# Altium PCB Ultra_CAP.PcbDoc (part 1 of 2) (continued)
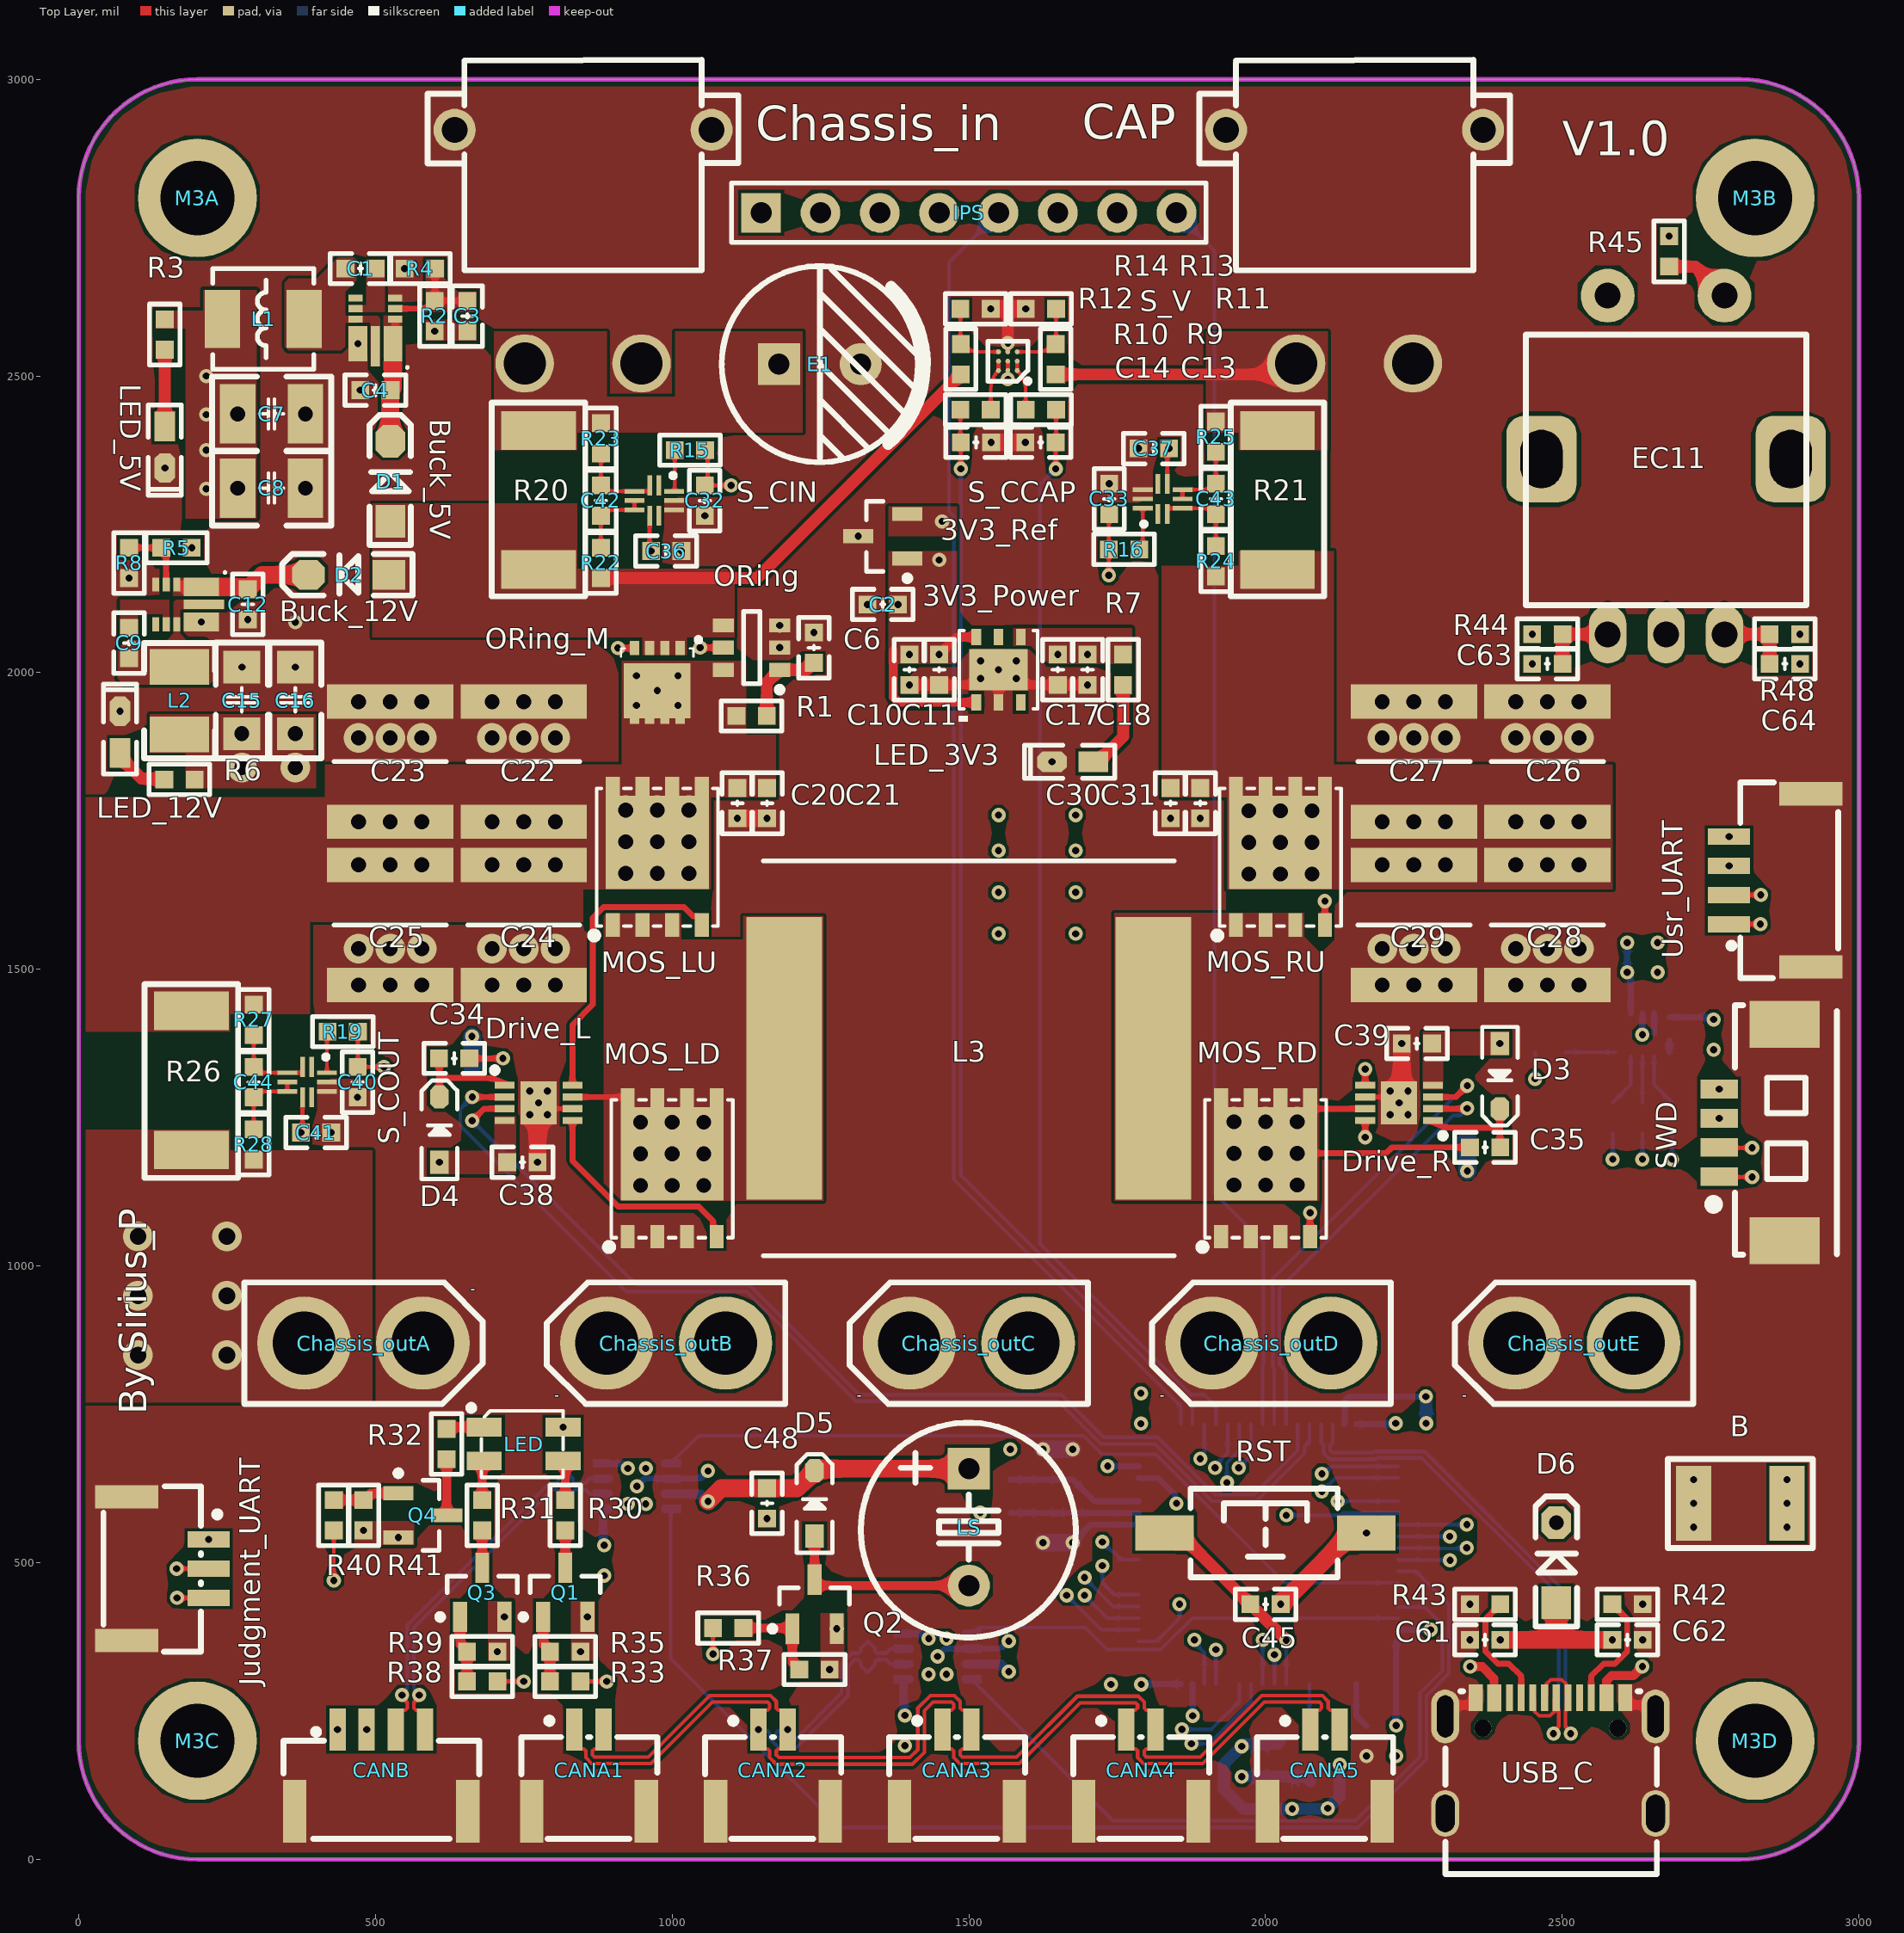
[diagram p0: Top Layer view]
## Components (designator, comment, footprint, x,y, rotation, side; value= is the part's Value field where it differs from the comment) (continued)
IPS "HDR-1X8" HDR2.54-M-LI-8P 1500,2775 r0 top
Judgment_UART "HDR-1X3" CONN-SMD_3P-P1.25_JUSHUO_GH125-S03DCA-00 150,490 r270 top
L1 "6.8uH/2A" L-SMD-0420 311.1,2596.1 r180 top
L2 "10uH/1A" L1210 170,1952.91 r270 top
L3 "10uH/16.5A/11.8mΩ" INDPM176169X700N 1500,1350 r0 top
L4 "600R@100MHz" R0603_L 1570,665.59 r270 bottom
L5 "600R@100MHz" R0603_L 1545,584.41 r180 bottom
LED "RGB-3528" "LED 3528-4Pin" 750,700 r0 top
LED_3V3 "Green" LED0603_G 1675,1850 r180 top
LED_5V "Green" LED0603_G 145,2380 r270 top
LED_12V "Green" LED0603_G 70,1900 r90 top
LS "DC5V" "BEEP 5x9x5.5" 1500,560 r180 top
M3A "M3" "M3 125X200" 200,2800 r0 top
M3B "M3" "M3 125X200" 2825,2800 r0 top
M3C "M3" "M3 125X200" 200,200 r0 top
M3D "M3" "M3 125X200" 2825,200 r0 top
MOS_LD "HYG025N06LS1C2" PDFN5*6-8l 1000,1165 r0 top
MOS_LU "HYG025N06LS1C2" PDFN5*6-8l 975,1690 r0 top
MOS_RD "HYG025N06LS1C2" PDFN5*6-8l 2000,1165 r0 top
MOS_RU "HYG025N06LS1C2" PDFN5*6-8l 2025,1690 r0 top
ORing "LM5050MKX-1/NOPB" SOT23-6 1133.93,2042.21 r180 top
ORing_M "AP80N04Q" TDFN33-8 975,1980 r180 top
Q1 "SI2302" SOT23-3N 820,450 r90 top
Q2 "SS8050" SOT23-3N 1240,430 r90 top
Q3 "SI2302" SOT23-3N 680,450 r90 top
Q4 "SI2302" SOT23-3N 580,580 r0 top
R1 "100R" R0603_L 1133.93,1927.21 r180 top
R2 "157K" R0603_L 600,2601.1 r270 top
R3 "4.7K" R0603_L 145,2570 r90 top
R4 "30K" R0603_L 575,2681.1 r0 top
R5 "422K" R0603_L 165,2210.59 r0 top
R6 "4.7K" R0603_L 170,1820 r0 top
R7 "4.7K" R0603_L 1760,2005 r90 top
R8 "30K" R0603_L 85,2185 r90 top
R9 "1K" R0603_L 1621.43,2443.14 r180 top
R10 "1K" R0603_L 1511.43,2443.14 r0 top
R11 "20K" R0603_L 1646.43,2528.14 r90 top
R12 "20K" R0603_L 1486.43,2528.14 r90 top
R13 "2.21K" R0603_L 1621.43,2613.14 r0 top
R14 "2.21K" R0603_L 1511.43,2613.14 r180 top
R15 "1K" R0603_L 1030,2375 r180 top
R16 "1K" R0603_L 1761.57,2207.82 r0 top
R17 "10K" R0603_L 662.82,1309.96 r90 bottom
R18 "10K" R0603_L 2340,1240 r270 bottom
R19 "1K" R0603_L 445,1395 r180 top
R20 "1mR" R2512_L 775,2290 r90 top
R21 "1mR" R2512_L 2020,2290 r90 top
R22 "10Ω" R0603_L 880,2185 r270 top
R23 "10Ω" R0603_L 880,2395 r90 top
R24 "10Ω" R0603_L 1916.57,2187.82 r270 top
R25 "10Ω" R0603_L 1916.57,2397.82 r90 top
R26 "1mR" R2512_L 190,1313.86 r270 top
R27 "10Ω" R0603_L 295,1415 r270 top
R28 "10Ω" R0603_L 295,1205 r270 top
R29 "120Ω" R0603_L 1330,342 r90 bottom
R30 "3.3K" R0603_L 820,580 r90 top
R31 "5.6K" R0603_L 680,580 r90 top
R32 "2K" R0603_L 620,700 r90 top
R33 "1K" R0603_L 820,300 r0 top
R34 "120Ω" R0603_L 820.59,628.99 r90 bottom
R35 "10K" R0603_L 820,350 r0 top
R36 "510Ω" R0603_L 1094.41,390 r180 top
R37 "10K" R0603_L 1240,320 r0 top
R38 "1K" R0603_L 680,300 r0 top
R39 "10K" R0603_L 680,350 r0 top
R40 "1K" R0603_L 430,580 r270 top
R41 "10K" R0603_L 480,580 r270 top
R42 "5.1K" R0603_L 2610,430 r0 top
R43 "5.1K" R0603_L 2370,430 r0 top
R44 "10K" R0603_L 2475,2065 r0 top
R45 "10K" R0603_L 2680,2710 r270 top
R46 "220R" R0603_L 2685,1250 r90 bottom
R47 "220R" R0603_L 2635,1250 r90 bottom
R48 "10K" R0603_L 2875,2065 r0 top
R49 "220R" R0603_L 2585,1250 r90 bottom
R50 "220R" R0603_L 2480,1360 r0 bottom
RST "3x6x5" "SW SMD-3*6*5" 2000,550 r0 top
S_CCAP "NCS210RMUTAG" QFN40P140X180X60-10N 1826.57,2292.82 r90 top
S_CIN "NCS210RMUTAG" QFN40P140X180X60-10N 970,2290 r270 top
S_COUT "NCS210RMUTAG" QFN40P140X180X60-10N 385,1310 r270 top
S_V "NCS20282" BGA9C40P3X3_122X122X62 1565.75,2525 r180 top
STM32G474 "STM32G474RET6" LQFP64-10*10 2005,515 r180 bottom
SWD "HDR-1X4" MX1.25-WS-4P 2875,1225 r90 top
USB_C "TYPE-C 2.0 -16P" USB-C-SMD_16P 2480,175 r180 top
Usr_UART "HDR-1X4" CONN-SMD_4P-P1.27_GH125-S04DCA-00 2850,1650 r90 top
X_24M "24M" OSC-2025-4P 2050,165 r90 bottom

## Footprints (in the part's own frame and the unit in brackets; to place one, negate y for a bottom-side part, rotate by r counter-clockwise, add the part's x,y. Pads: shape width x height; smd on the part's side, far side on the other; paste and mask are expansions set on the pad)
AP63356DV7 [mm]
  rect 0.8x1.5 smd: 1(-0.75,0.675) 8(0.75,0.675)
  rect 0.6x0.3 smd: 2(-0.85,-0.375) 3(-0.85,-0.825) 4(-0.85,-1.275) 5(0.85,-1.275) 6(0.85,-0.825) 7(0.85,-0.375)
  rect 0.4x1.73 smd: 9(0,0.79)
  silkscreen extent -1.42,1.64 -1.32,1.74, body extent -1,-1.5 1,1.5, height 0.95
"BEEP 5x9x5.5" [mm] "5*9*5.5mm(脚距,直径,高度)        淘宝ID:黄晶宝石"
  rect 1.8x1.8 hole 0.9: 1(0,-2.5)
  round 1.8 hole 0.9: 2(0,2.5)
  silkscreen extent -4.58,-4.47 4.62,4.72, body extent -4.5,-4.5 4.5,4.5, height 5.45
BGA9C40P3X3_122X122X62 [mm]
  round 0.208 smd: A1(-0.4,0.4) A2(0,0.4) A3(0.4,0.4) B1(-0.4,0) B2(0,0) B3(0.4,0) C1(-0.4,-0.4) C2(0,-0.4) C3(0.4,-0.4)
  silkscreen extent -0.95,-0.85 0.85,0.95, body extent -0.61,-0.61 0.61,0.61, height 0.62
C0603_L [mil] "贴片MLCC电容"
  rect 30x30 smd: 1(-25.59,0) 2(25.59,0)
  silkscreen extent -51,-26 51,26, body extent -31,-16 32,16, height 33
C1206_L [mil] "贴片MLCC电容"
  rect 55x62 smd: 1(-55.12,0) 2(57.09,0)
  silkscreen extent -96,-44 98,44, body extent -63,-32 63,32, height 49
C1210_L [mil] "贴片MLCC电容"
  rect 60x100 smd: 1(-57.09,0) 2(57.09,0)
  silkscreen extent -100,-63 100,63, body extent -63,-51 63,51, height 61
"C2220_no overlay" [mm]
  rect 1.47x5.41 smd: 1(-2.57,0) 2(2.57,0)
  silkscreen extent 0,-2.4 0,2.4, body extent -2.85,-2.5 2.85,2.5, height 2.79
CONN-SMD_2P-P1.25_JUSHUO_GH125-S02DCA-00 [mm]
  rect 0.7x1.8 smd mask+0.05: 1(-0.625,1.75) 2(0.625,1.75)
  rect 1x2.7 smd mask+0.05: 3(2.455,-1.75) 4(-2.455,-1.75)
  silkscreen extent -2.9,-2.92 2.92,2.25, body extent -2.88,-3.01 2.88,1.54, height 4.19
CONN-SMD_3P-P1.25_JUSHUO_GH125-S03DCA-00 [mm]
  rect 0.7x1.8 smd mask+0.05: 1(-1.25,1.75) 2(0,1.75) 3(1.25,1.75)
  rect 1x2.7 smd mask+0.05: 4(3.08,-1.75) 5(-3.08,-1.75)
  silkscreen extent -3.52,-2.75 3.56,2.26, body extent -3.5,-3.01 3.5,1.59, height 4.19
CONN-SMD_4P-P1.27_GH125-S04DCA-00 [mm]
  rect 0.7x1.8 smd mask+0.05: 1(-1.875,1.75) 2(-0.625,1.75) 3(0.625,1.75) 4(1.875,1.75)
  rect 1x2.7 smd mask+0.05: 5(3.705,-1.75) 6(-3.705,-1.75)
  silkscreen extent -4.19,-2.92 4.19,1.78, body extent -4.13,-3.01 4.13,1.54, height 4.19
CONN-TH_XT30PW-M [mm]
  round 2.5 hole 1.8: 1(-2.5,5.939) 2(2.5,5.939)
  round 1.8 hole 1.1: 3(5.5,-4.061) 4(-5.5,-4.061)
  silkscreen extent -6.65,-7.06 6.65,1.96, body extent -6.65,-7.01 6.65,6.94, height 5
"CT 3.5*8*8 - R" [mm] "脚距3.5mm , 直径8mm , 高8mm               联系卖家 免费查找封装"
  rect 1.8x1.8 hole 0.9: 1(1.75,0)
  round 1.8 hole 0.9: 2(-1.75,0)
  silkscreen extent -4.57,-4.2 4.2,4.2, body extent -4,-3.99 4,3.99, height 8.05
EC11 [mm] "数字开关编码器                                   淘宝ID:黄晶宝石"
  rrect50% 3.7x3 hole 1.8 slot 2.5 at 0 deg: 0(-0.254,5.334) 0(-0.254,-5.334)
  round 2.3 hole 1.1: 1(-7.25,2.5) 2(-7.25,-2.5)
  oval 2.5x1.6 hole 1.1: A(7.25,-2.5) B(7.25,2.5) C(7.25,0)
  silkscreen extent -5.59,-6 6,6, body extent -7.43,-6.16 7.37,6.31, height 2.94
HDR2.54-M-LI-8P [mm] "排母，8脚"
  rect 1.7x1.7 hole 0.9: 1(-8.89,0)
  round 1.7 hole 0.9: 2(-6.35,0) 3(-3.81,0) 4(-1.27,0) 5(1.27,0) 6(3.81,0) 7(6.35,0) 8(8.89,0)
  silkscreen extent -10.16,-1.27 10.16,1.27, body extent -10.16,-1.27 10.16,1.27, height 8.5
INDPM176169X700N [mm]
  rect 3.25x12.1 smd: 1(-7.9,0) 2(7.9,0)
  silkscreen extent -8.8,-8.45 8.8,8.45, body extent -8.8,-8.45 8.8,8.45, height 7
L1210 [mil] "小功率贴片电感                              淘宝ID:黄晶宝石"
  rect 60x100 smd: 1(-57.09,0) 2(57.09,0)
  silkscreen extent -97,-60 97,60, body extent -63,-49 63,49, height 51
L-SMD-0420 [mm] "一体化成型电感                              淘宝ID:黄晶宝石"
  rect 1.5x2.5 smd: 1(-1.75,0) 2(1.75,0)
  silkscreen extent -2.16,-2.16 2.16,2.16, body extent -2.25,-2.05 2.25,2.05
LED0603_G [mil] "绿色0603LED"
  rect 50x35 smd: 1(-35,0.26)
  oct 50x35 smd: 2(35,0.26)
  silkscreen extent -71,-28 81,28, body extent -31,-16 31,16, height 24
"LED 3528-4Pin" [mm] "4脚，3528LED"
  rect 1.5x0.8 smd: 1(-1.689,0.725) 2(-1.689,-0.725) 3(1.689,-0.725) 4(1.689,0.725)
  silkscreen extent -2.37,-1.42 1.69,1.68, body extent -1.75,-1.4 1.75,1.4, height 1.95
LQFP64-10*10 [mm] "10x10mm，0.5mm       淘宝ID:黄晶宝石"
  oval 0.3x1.8 smd: 1(-3.75,-5.575) 2(-3.25,-5.575) 3(-2.75,-5.575) 4(-2.25,-5.575) 5(-1.75,-5.575) 6(-1.25,-5.575) 7(-0.75,-5.575) 8(-0.25,-5.575) 9(0.25,-5.575) 10(0.75,-5.575) 11(1.25,-5.575) 12(1.75,-5.575) 13(2.25,-5.575) 14(2.75,-5.575) 15(3.25,-5.575) 16(3.75,-5.575) 33(3.75,5.55) 34(3.25,5.55) 35(2.75,5.55) 36(2.25,5.55) 37(1.75,5.55) 38(1.25,5.55) 39(0.75,5.55) 40(0.25,5.55) 41(-0.25,5.55) 42(-0.75,5.55) 43(-1.25,5.55) 44(-1.75,5.55) 45(-2.25,5.55) 46(-2.75,5.55) 47(-3.25,5.55) 48(-3.75,5.55)
  oval 1.8x0.3 smd: 17(5.55,-3.75) 18(5.55,-3.25) 19(5.55,-2.75) 20(5.55,-2.25) 21(5.55,-1.75) 22(5.55,-1.25) 23(5.55,-0.75) 24(5.55,-0.25) 25(5.55,0.25) 26(5.55,0.75) 27(5.55,1.25) 28(5.55,1.75) 29(5.55,2.25) 30(5.55,2.75) 31(5.55,3.25) 32(5.55,3.75) 49(-5.55,3.75) 50(-5.55,3.25) 51(-5.55,2.75) 52(-5.55,2.25) 53(-5.55,1.75) 54(-5.55,1.25) 55(-5.55,0.75) 56(-5.55,0.25) 57(-5.55,-0.25) 58(-5.55,-0.75) 59(-5.55,-1.25) 60(-5.55,-1.75) 61(-5.55,-2.25) 62(-5.55,-2.75) 63(-5.55,-3.25) 64(-5.55,-3.75)
  silkscreen extent -5.33,-6.09 4.32,4.32, body extent -6,-6 6,6, height 1.45
"M3 125X200" [mil] "M3螺丝孔，孔125Mil，焊盘200Mil"
  round 200 hole 125: 1(0,0)
MX1.25-WS-4P [mm] "长：10.15mm，宽：4.2mm，高：3.4mm"
  rect 2x3 smd: 0(-4.632,0) 0(4.632,0)
  rect 0.8x1.6 smd: 1(-1.889,2.811) 2(-0.639,2.811) 3(0.611,2.811) 4(1.861,2.811)
  silkscreen extent -5.23,-2.23 5.45,3.25, body extent -5.07,-2.1 5.08,3.09, height 3.4
OSC-2025-4P [mm] "2*2.5*0.55mm(长宽高)"
  rect 1.2x1 smd: 1(-0.85,-0.65) 2(0.85,-0.65) 3(0.85,0.65) 4(-0.85,0.65)
  silkscreen extent -1.75,-1.4 1.63,1.32, body extent -1.25,-1 1.25,1, height 0.55
PDFN5*6-8l [mm]
  rect 0.6x1 smd mask+0.05: 1(-1.905,-2.925) 2(-0.635,-2.925) 3(0.635,-2.925) 4(1.905,-2.925) 5(1.905,2.925) 6(0.635,2.925) 7(-0.635,2.925) 8(-1.905,2.925)
  rect 4.41x4 smd mask+0.05: 9(0,0.61)
  silkscreen extent -2.85,-3.53 2.6,2.92, body extent -2.62,-3.13 2.64,3.13, height 1.07
"PQFN50P300X250X97-14N - duplicate" [mm]
  rrect50% 0.61x0.35 smd: 1(-1.16,0.75) 2(-1.16,0.25) 3(-1.16,-0.25) 4(-1.16,-0.75) 8(1.16,-0.75) 9(1.16,-0.25) 10(1.16,0.25) 11(1.16,0.75)
  rrect50% 0.35x0.61 smd: 5(-0.5,-0.91) 6(0,-0.91) 7(0.5,-0.91) 12(0.5,0.91) 13(0,0.91) 14(-0.5,0.91)
  silkscreen extent -2.1,-1.25 1.5,1.25, body extent -1.5,-1.24 1.5,1.24, height 0.97
QFN40P140X180X60-10N [mm]
  rect 0.85x0.2 smd: 1(-0.65,0.2) 2(-0.65,-0.2) 6(0.65,-0.2) 7(0.65,0.2)
  rect 0.2x0.85 smd: 3(-0.4,-0.85) 4(0,-0.85) 5(0.4,-0.85) 8(0.4,0.85) 9(0,0.85) 10(-0.4,0.85)
  silkscreen extent -1.17,0.7 -0.98,0.9, body extent -0.75,-0.95 0.75,0.95, height 0.6
R0603_L [mil] "1/10W贴片电阻"
  rect 30x30 smd: 1(-25.59,0) 2(25.59,0)
  silkscreen extent -51,-26 51,26, body extent -31,-16 31,16, height 16
R1812_L [mm] "1/2W贴片电阻                 淘宝ID:黄晶宝石"
  rect 1.5x3.2 smd: 1(-2,0) 2(2,0)
  silkscreen extent -3.1,-1.91 3.1,1.91, body extent -2.25,-1.6 2.25,1.6, height 0.55
R2512_L [mm] "1W贴片电阻                淘宝ID:黄晶宝石"
  rect 1.65x3.2 smd: 1(-2.95,0) 2(3,0)
  silkscreen extent -4.1,-2 4.2,2, body extent -3.2,-1.6 3.2,1.6, height 0.55
SOD-123 [mil] "2.7x1.6X1.1mm（长宽高，不包括引脚） 淘宝ID:黄晶宝石"
  rect 55x50 smd: 1(-67.5,0)
  oct 55x50 smd: 2(67.5,0)
  silkscreen extent -108,-35 112,35, body extent -73,-32 73,31, height 50
SOD-323 [mm] "1.8x1.3X0.9mm（长宽高，不包括引脚）"
  rect 1x0.8 smd: 1(-1.4,0)
  oct 1x0.8 smd: 2(1.4,0)
  silkscreen extent -2.11,-0.76 2.11,0.76, body extent -1.32,-0.65 1.32,0.65, height 0.95
SON50P300X300X100-9N [mm]
  rect 0.85x0.3 smd: 1(-1.45,0.75) 2(-1.45,0.25) 3(-1.45,-0.25) 4(-1.45,-0.75) 5(1.45,-0.75) 6(1.45,-0.25) 7(1.45,0.25) 8(1.45,0.75)
  rect 1.55x1.84 smd: 9(0,0)
  silkscreen extent -2,1.28 -1.75,1.52, body extent -1.55,-1.5 1.55,1.5, height 1
SON65P300X300X100-9N-D [mm]
  round 0.35 smd: 1(-1.45,0.975) 2(-1.45,0.325) 3(-1.45,-0.325) 4(-1.45,-0.975) 5(1.45,-0.975) 6(1.45,-0.325) 7(1.45,0.325) 8(1.45,0.975)
  rect 1.65x2.45 smd: 9(0,0)
  Top Layer region: 1.875,0.8 1.2,0.8 1.155,0.806 1.112,0.823 1.076,0.851 1.048,0.887 1.031,0.93 1.025,0.975 1.031,1.02 1.048,1.062 1.076,1.099 1.112,1.127 1.155,1.144 1.2,1.15 1.2,1.15 1.875,1.15 1.875,0.8
  Top Layer region: 1.875,0.15 1.2,0.15 1.155,0.156 1.112,0.173 1.076,0.201 1.048,0.238 1.031,0.28 1.025,0.325 1.031,0.37 1.048,0.413 1.076,0.449 1.112,0.477 1.155,0.494 1.2,0.5 1.2,0.5 1.875,0.5 1.875,0.15
  Top Layer region: 1.875,-0.5 1.2,-0.5 1.155,-0.494 1.112,-0.477 1.076,-0.449 1.048,-0.413 1.031,-0.37 1.025,-0.325 1.031,-0.28 1.048,-0.238 1.076,-0.201 1.112,-0.173 1.155,-0.156 1.2,-0.15 1.2,-0.15 1.875,-0.15 1.875,-0.5
  Top Layer region: 1.875,-1.15 1.2,-1.15 1.155,-1.144 1.112,-1.127 1.076,-1.099 1.048,-1.062 1.031,-1.02 1.025,-0.975 1.031,-0.93 1.048,-0.887 1.076,-0.851 1.112,-0.823 1.155,-0.806 1.2,-0.8 1.2,-0.8 1.875,-0.8 1.875,-1.15
  Top Layer region: -1.875,-0.8 -1.2,-0.8 -1.155,-0.806 -1.113,-0.823 -1.076,-0.851 -1.048,-0.887 -1.031,-0.93 -1.025,-0.975 -1.031,-1.02 -1.048,-1.062 -1.076,-1.099 -1.113,-1.127 -1.155,-1.144 -1.2,-1.15 -1.2,-1.15 -1.875,-1.15 -1.875,-0.8
  Top Layer region: -1.875,-0.15 -1.2,-0.15 -1.155,-0.156 -1.113,-0.173 -1.076,-0.201 -1.048,-0.238 -1.031,-0.28 -1.025,-0.325 -1.031,-0.37 -1.048,-0.413 -1.076,-0.449 -1.113,-0.477 -1.155,-0.494 -1.2,-0.5 -1.2,-0.5 -1.875,-0.5 -1.875,-0.15
  Top Layer region: -1.875,0.5 -1.2,0.5 -1.155,0.494 -1.113,0.477 -1.076,0.449 -1.048,0.413 -1.031,0.37 -1.025,0.325 -1.031,0.28 -1.048,0.238 -1.076,0.201 -1.113,0.173 -1.155,0.156 -1.2,0.15 -1.2,0.15 -1.875,0.15 -1.875,0.5
  Top Layer region: -1.875,1.15 -1.2,1.15 -1.155,1.144 -1.113,1.127 -1.076,1.099 -1.048,1.062 -1.031,1.02 -1.025,0.975 -1.031,0.93 -1.048,0.887 -1.076,0.851 -1.113,0.823 -1.155,0.806 -1.2,0.8 -1.2,0.8 -1.875,0.8 -1.875,1.15
  silkscreen extent -2,1.53 -1.75,1.77, body extent -1.55,-1.5 1.55,1.5, height 1
SON_DFN6_3X3_STM-L [mil]
  rect 28x16 smd paste+0 mask+0: 1(-55,37.4) 2(-55,0) 3(-55,-37.4) 4(55,-37.4) 5(55,0) 6(55,37.4)
  rect 69x98 smd paste+0 mask+0: 7(0,0)
  silkscreen extent -88,-66 66,67, body extent -61,-61 61,61, height 37
SOT23 [mm] "SOT23, 3-Leads, Body 2.9x1.3mm, Pitch 0.95mm, Lead Span 2.4mm, IPC Medium Density"
  rect 1.3x0.6 smd: 1(-1.05,0.95) 2(-1.05,-0.95) 3(1.05,0)
  silkscreen extent -1.18,-1.5 0.7,1.92, body extent -1.2,-1.5 1.2,1.5, height 1.05
SOT23-3N [mm] "SOT23, 3-Leads, Body 2.9x1.3mm, Pitch 0.95mm, Lead Span 2.4mm, IPC Medium Density"
  rect 1.3x0.6 smd: 1(-1.05,0.95) 2(-1.05,-0.95) 3(1.05,0)
  silkscreen extent -1.17,-1.5 0.7,1.92, body extent -1.2,-1.5 1.2,1.5, height 1.05
SOT23-6 [mm] "SOT-23, 6-Leads, Body 2.90x1.60mm, Pitch 0.95mm, IPC High Density"
  rect 0.9x0.6 smd: 1(-1.2,0.95) 2(-1.2,0) 3(-1.2,-0.95) 4(1.2,-0.95) 5(1.2,0) 6(1.2,0.95)
  silkscreen extent -1.33,-1.55 0.35,1.92, body extent -1.4,-1.5 1.4,1.5, height 1.15
"SW SMD-3*6*5" [mm] "3*6*5mm                                 淘宝ID:黄晶宝石"
  rect 2.5x1.5 smd: 1(-4.318,0) 2(4.318,0)
  silkscreen extent -3.21,-1.9 3.09,1.9, body extent -4.6,-1.75 4.6,1.75, height 5.1
TDFN33-8 [mm]
  rect 0.4x0.6 smd: 1(-0.975,-1.563) 2(-0.325,-1.563) 3(0.325,-1.563) 4(0.975,-1.563)
  rect 0.4x0.25 smd: 5(0.975,1.563) 6(0.325,1.563) 7(-0.325,1.563) 8(-0.975,1.563)
  rect 2.85x2.35 smd: 9(0,0.262)
  silkscreen extent -1.86,-2.02 1.55,-1.2, body extent -1.65,-1.8 1.65,1.55, height 0.8
USB-C-SMD_16P [mm] "封装库来自淘宝ID:黄晶宝石"
  oval 1.2x2.3 hole 0.7 slot 1.8 at 90 deg: 0(-4.5,-1.675) 0(4.5,-1.675)
  oval 1.2x2 hole 0.8 slot 1.6 at 90 deg: 0(-4.5,2.475) 0(4.5,2.475)
  rect 0.3x1.15 smd: A1(3.35,-2.473) A4(2.55,-2.471) A5(1.25,-2.475) A6(0.25,-2.475) A7(-0.25,-2.473) A9(-2.55,-2.475) A12(-3.35,-2.475) B1(-3.05,-2.475) B4(-2.25,-2.475) B5(-1.75,-2.475) B6(-0.75,-2.475) B7(0.75,-2.473) B9(2.25,-2.471) B12(3.05,-2.473)
  rect 0.3x1.148 smd: A8(1.75,-2.475) B8(-1.25,-2.475)
  round 0.75 hole 0.75 unplated: ""(-2.89,-1.175) ""(2.89,-1.175)
  silkscreen extent -4.56,-2.75 4.5,5.08, body extent -4.44,-2.87 4.5,5.03, height 3.25
XT30-F [mm]
  round 4 hole 2.7: 1(-2.54,0) 2(2.54,0)
  silkscreen extent -5.1,-2.6 5.11,2.6, body extent -5.1,-2.6 5.1,2.6, height 9.4

## Part data
3V3_Power: "LDO-3V3/500mA"
3V3_Ref: "基准电压源3V3", Mfr_Name=onsemi, Copyright="Copyright (C) 2022 Ultra Librarian. All rights reserved.", Manufacturer_Part_Number=NCP51460SN33T1G, RefDes=RefDes, Type=DEV
B L4 L5: library part FB, "磁珠", BOM名称=直插磁珠, 联系卖家，免费查找封装=唯一出售店铺网址https://shop463601444.taobao.com
Buck_5V Buck_12V: "Switching Voltage Regulators DCDC Conv HV Buck V-DFN3020-13 T&R 3K 3.8V TO 32V INPUT, 3.5A LOW IQ SYNCHRONOUS BUCK WITH ENHANCED EMI REDUCTION", Manufacturer_Name="Diodes Inc.", Mouser Part Number=621-AP63356DV-7, Datasheet Link=https://www.diodes.com/assets/Datasheets/AP63356-AP63357.pdf, Geometry.Height=0.85mm, Manufacturer_Part_Number=AP63356DV-7, Mouser Price/Stock=https://www.mouser.co.uk/ProductDetail/Diodes-Incorporated/AP63356DV-7?qs=bZr6mbWTK5k9UirUfdvjSw%3D%3D
C1 C2 C3 C4 C6 C7 C8 C9 C10 C11 C12 C13 C14 C15 C16 C17 C18 C19 C20 C21 C22 C23 C24 C25 C26 C27 C28 C29 C30 C31 C32 C33 C34 C35 C36 C37 C38 C39 C40 C41 C42 C43 C44 C45 C46 C47 C48 C49 C50 C51 C52 C53 C54 C55 C56 C57 C58 C59 C60 C61 C62 C63 C64: library part C, "贴片电容", BOM名称=无极性贴片电容, 联系卖家，免费查找封装=唯一出售店铺网址https://shop463601444.taobao.com
C65: library part C, "VDDIO滤波电容", BOM名称=无极性贴片电容, 联系卖家，免费查找封装=唯一出售店铺网址https://shop463601444.taobao.com
C66 C67: library part C, "VDD滤波电容", BOM名称=无极性贴片电容, 联系卖家，免费查找封装=唯一出售店铺网址https://shop463601444.taobao.com
CAN_swA CAN_swB: "CAN电平转换芯片", Manufacturer_Part_Number=TJA1441BTK/0Z, Mfr_Name=NXP, Copyright="Copyright (C) 2022 Ultra Librarian. All rights reserved.", RefDes=RefDes, Type=DEV
CANA1 CANA2 CANA3 CANA4 CANA5: library part "Header 2", "2P连接器", BOM名称=2P连接器, 联系卖家 免费技术支持=封装库来自淘宝卖家ID：黄晶宝石, 联系卖家，免费技术支持=唯一出售店铺网址https://shop463601444.taobao.com
CANB SWD Usr_UART: library part "Header 4", "4P连接器", BOM名称=4P连接器, 联系卖家 免费技术支持=封装库来自淘宝卖家ID：黄晶宝石, 联系卖家，免费技术支持=唯一出售店铺网址https://shop463601444.taobao.com
D1 D2 D6: library part 1N5822, "肖特基二极管", BOM名称=肖特基二极管, 联系卖家，免费查找封装=唯一出售店铺网址https://shop463601444.taobao.com
D3 D4: library part 1N5819, "肖特基二极管", BOM名称=肖特基二极管, 联系卖家，免费查找封装=唯一出售店铺网址https://shop463601444.taobao.com
D5: "开关二极管", BOM名称=高速开关二极管, 联系卖家，免费查找封装=唯一出售店铺网址https://shop463601444.taobao.com
Drive_L Drive_R: "ON SEMICONDUCTOR - ADP3110AKCPZ-RL - MOSFET Driver, High Side And Low Side, 4.6V-13.2V Supply, 1A Out, 20ns Delay, DFN-8", Manufacturer_Name=onsemi, Mouser Part Number=863-ADP3110AKCPZ-RL, Arrow Part Number=ADP3110AKCPZ-RL, Arrow Price/Stock=https://www.arrow.com/en/products/adp3110akcpz-rl/on-semiconductor, Datasheet Link=http://www.onsemi.com/pub/Collateral/ADP3110A-D.PDF, Geometry.Height=1mm, Manufacturer_Part_Number=ADP3110AKCPZ-RL, Mouser Price/Stock=https://www.mouser.co.uk/ProductDetail/ON-Semiconductor/ADP3110AKCPZ-RL?qs=t2BMfLoP1KSx%2FvThl35SBw%3D%3D
E1: library part CS, "直插固态电容", BOM名称=直插固态电容, 联系卖家，免费查找封装=唯一出售店铺网址https://shop463601444.taobao.com
EC11: "数字开关编码器", BOM名称=数字编码开关, 封装库来自淘宝卖家ID：黄晶宝石=其他店铺购入均为盗版假冒封装库，请立即申请退款, 联系卖家，免费查找封装=唯一出售店铺网址https://shop463601444.taobao.com
GYRO: "Accelerometer, Gyroscope, 6 Axis Sensor IÂ²C, I3Câ„ , SPI Output", Package="- TDK InvenSense", Digi-Key_Part_Number=1428-1152-1-ND, Digi-Key_Purchase_URL=https://www.digikey.com.cn/product-detail/zh/tdk-invensense/ICM-42605/1428-1152-1-ND/9953675?utm_source=snapeda&utm_medium=aggregator&utm_campaign=symbol, MF="TDK InvenSense", MP=ICM-42605, SnapEDA_Link=https://www.snapeda.com/parts/ICM-42605/TDK%20InvenSense/view-part/3226540/?ref=snap
IPS: library part "Header 8", "8P接插件", BOM名称=8P接插件, 封装库来自淘宝卖家 ID：黄晶宝石=其他店铺购入均为盗版假冒封装库, 联系卖家，免费查找封装=唯一出售店铺网址https://shop463601444.taobao.com
Judgment_UART: library part "Header 3", "3P连接器", BOM名称=3P连接器, 联系卖家 免费技术支持=封装库来自淘宝卖家ID：黄晶宝石, 联系卖家，免费技术支持=唯一出售店铺网址https://shop463601444.taobao.com
L1: library part "L-Molding Choke", "一体成型电感", BOM名称=一体成型电感, 联系卖家，免费查找封装=唯一出售店铺网址https://shop463601444.taobao.com
L2: library part L, "贴片小功率电感", BOM名称=小功率贴片电感, 联系卖家，免费查找封装=唯一出售店铺网址https://shop463601444.taobao.com
L3: library part "L-Molding Choke", "一体成型电感 / TMPC1707HP-100MG-D", BOM名称=一体成型电感, 联系卖家，免费查找封装=唯一出售店铺网址https://shop463601444.taobao.com
LED: library part "LED-RGB 3528", "3528三基色LED", BOM名称=三基色LED, 联系卖家 免费查找封装=封装库来自淘宝卖家ID：黄晶宝石
LED_3V3 LED_5V LED_12V: library part LED-SMD, "贴片LED", BOM名称=贴片LED, 联系卖家 免费查找封装=封装库来自淘宝卖家ID：黄晶宝石
LS: library part BEEP, "蜂鸣器", BOM名称=蜂鸣器, 封装库来自淘宝卖家ID：黄晶宝石=其他店铺购入均为盗版假冒封装库，请立即申请退款, 联系卖家，免费查找封装=唯一出售店铺网址https://shop463601444.taobao.com
M3A M3B M3C M3D: "铜柱孔", BOM名称=铜柱孔, 封装库来自淘宝卖家ID：黄晶宝石=其他店铺购入均为盗版假冒封装库，请立即申请退款, 联系卖家，免费查找封装=唯一出售店铺网址https://shop463601444.taobao.com
MOS_LD MOS_LU MOS_RD MOS_RU: "NMOS 60V/170A", Manufacturer_Part_Number=AON7418, Mfr_Name="Alpha and Omega Semiconductor", Copyright="Copyright (C) 2022 Ultra Librarian. All rights reserved.", RefDes=RefDes, Type=DEV
ORing: "理想二极管控制器", Mfr_Name="Texas Instruments", Copyright="Copyright (C) 2022 Ultra Librarian. All rights reserved.", Manufacturer_Part_Number=LM5050MKX-1/NOPB, RefDes=RefDes, Type=DEV
ORing_M: "Trans MOSFET N-CH 40V 40A 8-Pin PDFN EP T/R", Arrow Part Number="TSM085P03CV RGG", Manufacturer_Name="Taiwan Semiconductor", Mouser Part Number=821-TSM085P03CVRGG, Arrow Price/Stock=https://www.arrow.com/en/products/tsm085p03cvrgg/taiwan-semiconductor, Datasheet Link="https://componentsearchengine.com/Datasheets/1/TSM085P03CV RGG.pdf", Geometry.Height=0.75mm, Manufacturer_Part_Number="TSM085P03CV RGG", Mouser Price/Stock=https://www.mouser.co.uk/ProductDetail/Taiwan-Semiconductor/TSM085P03CV-RGG?qs=4pzlT8jjbhd4XXSAn%252BJ6qw%3D%3D
Q1 Q3 Q4: library part AO3400, "N沟道 20V/6A", BOM名称=场效应管, 参数="N沟道 30V/4.2A", 联系卖家，免费查找封装=唯一出售店铺网址https://shop463601444.taobao.com
Q2: library part 8050-SMD, "高频放大-NPN型", BOM名称=高频放大-NPN型, 参数="40V 1.5A 1W 100MHZ", 联系卖家，免费查找封装=唯一出售店铺网址https://shop463601444.taobao.com
R1 R2 R3 R4 R5 R6 R7 R8 R9 R10 R11 R12 R13 R14 R15 R16 R17 R18 R19 R20 R21 R22 R23 R24 R25 R26 R27 R28 R29 R30 R31 R32 R33 R34 R35 R36 R37 R38 R39 R40 R41 R42 R43 R44 R45 R46 R47 R48 R49 R50: library part R, "贴片电阻", BOM名称=贴片电阻, 联系卖家，免费查找封装=唯一出售店铺网址https://shop463601444.taobao.com
RST: library part "SW 3x6", "3x6轻触开关", BOM名称=3x6轻触开关, 封装库来自淘宝卖家ID：黄晶宝石=其他店铺购入均为盗版假冒封装库，请立即申请退款, 联系卖家，免费查找封装=唯一出售店铺网址https://shop463601444.taobao.com
S_CCAP S_CIN S_COUT: "CURRENT SENSE AMP G=200", Manufacturer_Name=onsemi, Mouser Part Number=863-NCS210RMUTAG, Arrow Part Number=NCS210RMUTAG, Arrow Price/Stock=https://www.arrow.com/en/products/ncs210rmutag/on-semiconductor?region=nac, Datasheet Link=http://www.onsemi.com/pub/Collateral/NCS210R-D.PDF, Geometry.Height=0.6mm, Manufacturer_Part_Number=NCS210RMUTAG, Mouser Price/Stock=https://www.mouser.co.uk/ProductDetail/ON-Semiconductor/NCS210RMUTAG?qs=lYGu3FyN48dPWsNmv2BxUw%3D%3D
S_V: "7 MHz, 125 A Low Power Operational Amplifier", Arrow Part Number=FAN48610UC50X, Manufacturer_Name=onsemi, Mouser Part Number=512-FAN48610UC50X, Arrow Price/Stock=https://www.arrow.com/en/products/fan48610uc50x/on-semiconductor?region=nac, Datasheet Link=https://www.onsemi.com/pub/Collateral/FAN48610-D.pdf, Geometry.Height=0.619mm, Manufacturer_Part_Number=FAN48610UC50X, Mouser Price/Stock=https://www.mouser.co.uk/ProductDetail/ON-Semiconductor-Fairchild/FAN48610UC50X?qs=3SGS%2FGl3GGz6Cj18V%2F7jcA%3D%3D
STM32G474: "MCU", Mfr_Name=STMicroelectronics, Copyright="Copyright (C) 2022 Ultra Librarian. All rights reserved.", Manufacturer_Part_Number=STM32G474RET6, RefDes=RefDes, Type=DEV
USB_C: library part USB2.0_Type-C_16Pin, "USB2.0 Type-C 16Pin  母座", 联系卖家，免费技术支持=唯一出售店铺网址https://shop463601444.taobao.com
X_24M: library part XTAL-ACT-4P, "4脚有源晶振(振荡器)", BOM名称=有源晶振(振荡器), 联系卖家，免费查找封装=唯一出售店铺网址https://shop463601444.taobao.com

## Via types
v1: diameter 24, hole 12, Top Layer to Bottom Layer, tented both sides, 234 vias
v2: diameter 50, hole 25, Top Layer to Bottom Layer, tented both sides, 117 vias
v3: diameter 50, hole 28, Top Layer to Bottom Layer, tented both sides, 6 vias

## Nets (pads, with @x,y where several pads share a name; then routed paths per layer and width w, separated by ;. In a path a pad name is that pad's centre, name@x,y a point inside that pad or via, vN(x,y) a via of type N, cw(c..) or ccw(c..) an arc to the next point about the centre after c; other vN are vias at no path point)
3V3: 3V3_Power.4 C17.2 C18.2 C47.2 C49.2 C50.2 C51.2 C52.1 C56.2 C60.2 C65.2 C66.2 C67.2 CAN_swA.5 CAN_swB.5 GYRO.5 GYRO.8 IPS.2 L4.1 R7.2 R44.1 R45.1 R48.2 STM32G474.16 STM32G474.32 STM32G474.48 STM32G474.64 SWD.4 X_24M.1 X_24M.4 | length 772
  Bottom Layer w10: v1(1734,663) 1734.36,662.64 STM32G474.32@1786.5,662.64 ; C49.2@1791.08,295.5 STM32G474.16@1857.36,295.5 ; STM32G474.48@2152.64,733.5 2217.92,733.5 v1(2219.41,735) ; v1(2220,225.59) 2220,366.53 2220.83,367.36 STM32G474.64@2223.5,367.36 ; v1(2609.41,1545) v1(2609.41,1495) 2615.32,1489.09 GYRO.5@2615.32,1425.83 ; GYRO.8@2680.67,1419.53 2751.06,1419.53 v1(2755,1415.59)
  Bottom Layer w14: CAN_swB.5@883.5,590.6 883.5,531.66 v1(885.59,529.58) ; CAN_swA.5@1390.29,303.69 1390.29,244.75 v1(1392.37,242.66) ; v1(1790.59,295) C49.2@1791.08,295.5
  Bottom Layer w20: v1(1960,139.41) 2067.71,139.41 X_24M.4@2075.59,131.54
  other v1: 1570,691.18 1790,734.41 2764.35,1298.28 1650,2030.59 1700,2030.59 2449.41,2065 2900.59,2065 2680,2735.59
3V3_R: 3V3_Ref.2 C19.2 C36.1 C37.1 C41.1 L5.2 S_CCAP.6 S_CIN.6 S_COUT.6 S_V.A2 S_V.B2 | length 1637.7
  Top Layer w7: v1(374.41,1225) 377.13,1227.72 S_COUT.6@377.13,1284.41 ; S_CIN.6@962.13,2264.41 962.13,2207.28 v1(964.41,2205) ; v1@1565.75,2494.41 S_V.A2@1565.75,2509.25 S_V.B2@1565.75,2525 ; S_CCAP.6@1834.45,2318.41 1834.45,2375.1 v1(1837.17,2377.82)
  SIG w20: v1(374.41,1225) 583.01,1016.39 1076.18,1016.39 1278.67,813.89 1278.67,787.67 1481.17,585.17 1518.65,585.17 v1(1519.42,584.41)
  other v1: 1455,2255 1565.75,2494.41
5V: 3V3_Power.1 3V3_Power.6 3V3_Ref.1 C2.2 C3.2 C7.2 C8.2 C10.2 C11.2 C46.2 C48.2 C53.2 CAN_swA.3 CAN_swB.3 CANB.1 D5.2 D6.2 L1.2 LED.4 LS.1 R2.2 R3.2 Usr_UART.4 | length 897.9
  Top Layer w15: 1372.5,2037.5 1372.5,1959.23 1381.73,1950 3V3_Power.1@1512.6,1950 ; v1(1450,2030.59) 1479.42,2060 3V3_Power.6@1512.6,2060
  Top Layer w30: v1(1060.59,603.4) 1082.78,625.59 C48.2@1160,625.59 1210.47,625.59 1235.31,650.43 1239.25,650.43 1240,651.18 D5.2@1240,655.12 1243.31,658.43 LS.1@1500,658.43
  Bottom Layer w15: CAN_swB.3@997.68,616.19 1047.8,616.19 v1(1060.59,603.4) ; CAN_swA.3@1504.46,329.28 1554.58,329.28 v1(1567.38,316.49)
  other v1: 436.18,218.9 816.5,728.54 2781.1,1723.82 1400,2030.59 1380.59,2115 1450,2190 215,2310 215,2375 215,2435 215,2500 600,2575.51
  other v2: 2490,567.5 267.91,2311.1 267.91,2436.1
12V: C15.2 C16.2 C38.1 C39.1 D3.1 D4.1 Drive_L.4 Drive_R.4 L2.2 R5.2 R6.2
  other v1: 607.82,1174.84 2395,1375.12 190.59,2210.59
  other v2: 275,1840 365,1840 275,1897.25 365,1897.25
AGND: 3V3_Power.2 3V3_Power.7 3V3_Ref.3 B.2 Buck_5V.4 Buck_5V.8 Buck_12V.4 Buck_12V.8 C2.1 C4.1 C6.1 C7.1 C8.1 C10.1 C11.1 C12.1 C13.2 C14.1 C15.1 C16.1 C17.1 C18.1 C19.1 C20.1 C21.1 C22.1 C23.1 C24.1 C25.1 C26.1 C27.1 C28.1 C29.1 C30.1 C31.1 C32.2 C33.2 C36.2 C37.2 C38.2 C39.2 C40.2 C41.2 C54.1 C55.1 C57.1 C58.1 C59.1 C61.1 C62.1 CANA1.3 CANA1.4 CANA2.3 CANA2.4 CANA3.3 CANA3.4 CANA4.3 CANA4.4 CANA5.3 CANA5.4 CANB.5 CANB.6 CAP.1 CAP.3 CAP.4 Chassis_in.1 Chassis_in.3 Chassis_in.4 Chassis_outA.2 Chassis_outB.2 Chassis_outC.2 Chassis_outD.2 Chassis_outE.2 Drive_L.6 Drive_L.9 Drive_R.6 Drive_R.9 E1.2 Judgment_UART.4 Judgment_UART.5 LED_3V3.2 LED_5V.2 LED_12V.2 MOS_LD.1 MOS_LD.2 MOS_LD.3 MOS_RD.1 MOS_RD.2 MOS_RD.3 ORing.2 ORing.3 R4.1 R8.1 R13.1 R14.1 R42.2 R43.1 S_CCAP.8 S_CCAP.9 S_CIN.8 S_CIN.9 S_COUT.8 S_COUT.9 S_V.C2 STM32G474.27 SWD.0 USB_C.0 USB_C.A1 USB_C.A12 USB_C.B1 USB_C.B12 Usr_UART.5 Usr_UART.6 | length 1226
  Top Layer w7: v1(775,1275) 784.84,1265.16 Drive_L.6@832.09,1265.16 ; S_V.C2@1565.75,2540.75 v1(1565.75,2555.59) ; Drive_R.6@2167.91,1284.84 2215.16,1284.84 v1(2225,1275)
  Top Layer w15: v1(1400,1979.41) 1509.41,1979.41 v1(1520,1990) ; 3V3_Power.2@1550,1950 v1(1550,2005) ; v1(1580,1990) 1590.59,1979.41 C17.1@1650,1979.41 v1(1700,1979.41) ; USB_C.0@2302.83,240.94 2302.83,245.23 2317.72,260.13 2346.52,260.13 2348.11,261.72 USB_C.A1@2348.11,272.37 ; USB_C.A12@2611.89,272.43 2611.89,261.77 2613.48,260.18 2642.27,260.18 2657.17,245.28 USB_C.0@2657.17,240.94
  Top Layer w20: v1(1565.75,2555.59) 1565.75,2612.47 1566.42,2613.15
  Top Layer w30: v1(773.41,1174.96) 773.41,1273.41 v1(775,1275) ; v1(1110,1754.41) v1(1160,1754.41) ; v1(1537.02,2613.15) 1566.42,2613.15 v1(1595.83,2613.14) ; v1(1537.61,2388.14) v1(1595.24,2388.14) ; v1(2225,1275) 2229.41,1279.41 v1(2229.41,1375)
  Bottom Layer w10: v1(1675,533.82) 1705.39,564.21 STM32G474.27@1786.5,564.21
  Bottom Layer w30: v1(1625,533.82) v1(1675,533.82) ; v1(1625,691.18) v1(1675,691.18)
  other v1: 2170,174.41 2344.41,370 2635.59,370 2344.41,430 2635.59,430 2721.26,560 2721.26,600 2721.26,640 425.59,1225 760,1255 790,1255 2210,1255 2240,1255 470,1284.41 760,1295 790,1295 2210,1295 2240,1295 1840,1754.41 1890,1754.41 1640,1849.74 69.74,1935 275,2009.46 365,2009.46 1520,2020 1580,2020 1181.17,2042.21 1238.93,2067.81 1181.17,2079.61 206.57,2085.47 365,2085 285,2089.41 1329.41,2115 85,2159.41 1015.59,2205 1313.66,2230 1055,2264.41 1736.58,2318.41 145.26,2345 1785.99,2377.82 474.41,2476.1 470.47,2554.53 549.41,2681.1
  other v2: 471.72,1473.82 525,1473.82 578.28,1473.82 696.72,1473.82 750,1473.82 803.28,1473.82 2196.72,1473.82 2250,1473.82 2303.28,1473.82 2421.72,1473.82 2475,1473.82 2528.28,1473.82 471.72,1535 525,1535 578.28,1535 696.72,1535 750,1535 803.28,1535 2196.72,1535 2250,1535 2303.28,1535 2421.72,1535 2475,1535 2528.28,1535 471.72,1890 525,1890 578.28,1890 696.72,1890 750,1890 803.28,1890 2196.72,1890 2250,1890 2303.28,1890 2421.72,1890 2475,1890 2528.28,1890 471.72,1951.18 525,1951.18 578.28,1951.18 696.72,1951.18 750,1951.18 803.28,1951.18 2196.72,1951.18 2250,1951.18 2303.28,1951.18 2421.72,1951.18 2475,1951.18 2528.28,1951.18 382.09,2311.1 382.09,2436.1
Beep: R36.2 STM32G474.8 | length 1107.2
  Top Layer w6: v1(1068.82,346.18) R36.2@1068.82,390
  SIG w6: v1(1068.82,346.18) 1130.34,284.66 1415.94,284.66 1436.61,264 1934,264 v1(2015,345)
  Bottom Layer w6: STM32G474.8@2014.84,295.5 2014.92,295.57 2014.92,344.92 v1(2015,345)
BL: IPS.8 STM32G474.40 | length 2102.9
  Bottom Layer w6: IPS.8@1850,2775 1913.72,2711.28 1913.72,1123.05 1996.74,1040.02 1996.74,834.07 1995.16,832.49 STM32G474.40@1995.16,733.5
CAN1_RX: CAN_swA.4 STM32G474.61 | length 1224.5
  Bottom Layer w6: CAN_swA.4@1504.46,303.69 1743.15,65 2151.9,65 2260.21,173.3 2260.21,280.24 2297.95,317.99 2297.95,395.33 2267.94,425.35 2224.57,425.35 STM32G474.61@2223.5,426.42
CAN1_TX: CAN_swA.1 STM32G474.62 | length 760.8
  Bottom Layer w6: CAN_swA.1@1504.46,380.46 1506.51,380.46 1516.72,390.67 1696.25,390.67 1733.47,353.46 1823.46,353.46 1876.73,406.73 STM32G474.62@2223.5,406.73
CAN2_RX: CAN_swB.4 STM32G474.58 | length 2076.1
  Bottom Layer w6: CAN_swB.4@997.68,590.6 997.68,338.33 1282.01,54 2156.46,54 2271.21,168.75 2271.21,275.69 2308.95,313.43 2308.95,429.53 2253.01,485.47 STM32G474.58@2223.5,485.47
CAN2_TX: CAN_swB.1 STM32G474.59 | length 1348.1
  Bottom Layer w6: CAN_swB.1@997.68,667.37 1044.48,714.18 1693.31,714.18 1724.49,683 1815.33,683 2032.54,465.79 STM32G474.59@2223.5,465.79
CANA_H: CAN_swA.7 CANA1.2 CANA2.2 CANA3.2 CANA4.2 CANA5.2 R29.2 | length 2280.5
  Top Layer w6: CANA1.2@884.61,218.89 884.61,197.24 873.83,186.46 869.01,186.46 865.5,182.95 865.5,176.06 869.01,172.54 959.93,172.54 1063.63,276.25 1165.54,276.25 1175.5,266.29 1175.5,254.84 1179.01,251.33 1183.83,251.33 1194.61,240.55 1194.61,197.24 1183.83,186.46 1179.01,186.46 1175.5,182.95 1175.5,176.06 1180.08,171.48 1400.65,171.48 1414.06,184.89 1414.06,255.06 1435.25,276.25 1475.54,276.25 1485.5,266.29 1485.5,254.84 1489.01,251.33 1493.83,251.33 1504.61,240.55 1504.61,197.24 1493.83,186.46 1489.01,186.46 1485.5,182.95 1485.5,176.06 1489.01,172.54 1580.55,172.54 1683.01,275 1785.54,275 1795.5,265.04 1795.5,254.84 1799.01,251.33 1803.83,251.33 1814.61,240.55 1814.61,197.24 1803.83,186.46 1799.01,186.46 1795.5,182.95 1795.5,176.06 1799.01,172.54 1889.93,172.54 1993.63,276.25 2095.54,276.25 2105.5,266.29 2105.5,254.84 2109.01,251.33 2113.83,251.33 2124.61,240.55 CANA5.2@2124.61,218.89
  Bottom Layer w6: v1(1194.61,218.89) 1192.5,216.79 1179.01,216.79 1175.5,213.27 1175.5,208.3 1185.91,197.89 1203.3,197.89 1285.59,280.18 1285.59,330.28 1302.8,347.5 1314.48,347.5 1318,351.01 1318,355.59 R29.2@1328,365.59 ; R29.2@1330,367.59 1342,355.59 1342,351.01 1345.51,347.5 1351.43,347.5 1351.51,347.58 1361.04,347.58 1364.55,351.09 1364.55,351.71 1367.72,354.87 CAN_swA.7@1390.29,354.87
CANA_L: CAN_swA.6 CANA1.1 CANA2.1 CANA3.1 CANA4.1 CANA5.1 R29.1 | length 2301.8
  Top Layer w6: CANA1.1@835.39,218.89 835.39,197.24 846.17,186.46 850.99,186.46 854.5,182.95 854.5,171.5 864.46,161.54 964.48,161.54 1068.18,265.25 1160.99,265.25 1164.5,261.73 1164.5,254.84 1160.99,251.33 1156.17,251.33 1145.39,240.55 1145.39,197.24 1156.17,186.46 1160.99,186.46 1164.5,182.95 1164.5,171.5 1175.52,160.48 1405.21,160.48 1425.06,180.34 1425.06,250.5 1439.8,265.25 1470.99,265.25 1474.5,261.73 1474.5,254.84 1470.99,251.33 1466.17,251.33 1455.39,240.55 1455.39,197.24 1466.17,186.46 1470.99,186.46 1474.5,182.95 1474.5,171.5 1484.46,161.54 1585.11,161.54 1687.56,264 1780.99,264 1784.5,260.49 1784.5,255.52 1780.31,251.33 1776.17,251.33 1765.39,240.55 1765.39,197.24 1776.17,186.46 1780.99,186.46 1784.5,182.95 1784.5,171.5 1794.46,161.54 1894.48,161.54 1998.18,265.25 2090.99,265.25 2094.5,261.73 2094.5,254.84 2090.99,251.33 2086.17,251.33 2075.39,240.55 CANA5.1@2075.39,218.89
  Bottom Layer w6: v1(1145.39,218.89) 1147.5,216.79 1160.99,216.79 1164.5,213.27 1164.5,203.75 1181.35,186.89 1207.86,186.89 1296.59,275.62 1296.59,325.72 1307.36,336.5 1314.48,336.5 1318,332.98 1318,326.41 R29.1@1329,315.41 ; R29.1@1330,316.41 1342,328.41 1342,332.98 1345.51,336.5 1355.99,336.5 1356.07,336.58 1361.04,336.58 1364.55,333.06 1364.55,332.44 1367.72,329.28 CAN_swA.6@1390.29,329.28
CANB_H: CAN_swB.7 CANB.3 R34.2 | length 648.3
  Top Layer w6: CANB.3@534.61,218.9 534.61,240.55 545.39,251.33 550.2,251.33 553.71,254.85 553.71,264.49 545,273.2 v1(545,277)
  Bottom Layer w6: v1(545,277) 545,280.51 554,289.51 554,395.09 793.39,634.48 805.07,634.48 808.59,638 808.59,642.58 R34.2@820.59,654.58 832.59,642.58 832.59,638 836.1,634.48 843.22,634.48 ; 843.23,634.49 854.26,634.49 857.77,638 857.77,638.62 860.93,641.78 CAN_swB.7@883.5,641.78
CANB_L: CAN_swB.6 CANB.4 R34.1 | length 630.3
  Top Layer w6: v1(574,277) 574,273.49 564.71,264.2 564.71,254.85 568.23,251.33 573.04,251.33 583.82,240.55 CANB.4@583.82,218.9
  Bottom Layer w6: v1(574,277) 574,280.51 565,289.51 565,390.54 797.95,623.48 805.07,623.48 808.59,619.97 808.59,615.39 R34.1@820.59,603.39 832.59,615.39 832.59,619.97 836.1,623.48 847.78,623.48 854.26,623.49 857.77,619.97 857.77,619.35 860.93,616.19 CAN_swB.6@883.5,616.19
CAP_Cout: C33.1 R16.1 STM32G474.21 | length 1912.6
  Top Layer w6: v1(1735.98,2164.02) 1735.98,2266.63 C33.1@1736.58,2267.22
  SIG w6: v1(1725,495) 1728.84,495 1756,522.16 1756,584.58 1714,626.58 1714,670.78 1717,673.78 1717,1384.88 1735.98,1403.86 v1(1735.98,2164.02)
  Bottom Layer w6: v1(1725,495) 1725,466.36 1745.26,446.1 STM32G474.21@1786.5,446.1
CAP_Vout: C13.1 R9.1 STM32G474.36 | length 1856.6
  Top Layer w6: v1(1646.43,2343.57) C13.1@1646.43,2388.14 1647.02,2388.74 R9.1@1647.02,2443.14
  Bottom Layer w6: v1(1646.43,2343.57) 1620,2317.14 1620,1037.34 1874.07,783.26 1896.17,783.26 1916.42,763.01 STM32G474.36@1916.42,733.5
Chassis_C+: C44.2 R27.2 S_COUT.2 S_COUT.3 | length 149
  Top Layer w6: R27.2@295,1389.41 C44.2@295,1335.59 304.84,1325.75 S_COUT.3@351.54,1325.75 375.69,1325.75 377.13,1327.18 S_COUT.2@377.13,1335.59
Chassis_C-: C44.1 R28.1 S_COUT.4 S_COUT.5 | length 130.2
  Top Layer w6: R28.1@295,1230.59 C44.1@295,1284.41 304.85,1294.25 S_COUT.5@351.54,1294.25 S_COUT.4@351.54,1310
Chassis_Cout: C40.1 R19.1 STM32G474.24 | length 1917.5
  Top Layer w6: R19.1@470.59,1395 470.59,1336.19 C40.1@470,1335.59 v1(514.41,1335.59)
  SIG w6: v1(514.41,1335.59) 535,1315 1277.67,1315 1695,897.67 1695,682.9 1692,679.9 1692,568 v1(1725,535)
  Bottom Layer w6: v1(1725,535) 1741.91,518.09 1744.04,518.09 1756.97,505.16 STM32G474.24@1786.5,505.16
CS: IPS.7 STM32G474.39 | length 2281.9
  SIG w6: IPS.7@1750,2775 1750,2348.82 1801.26,2297.57 1801.26,824.96 1946,680.22 1946,673.87 1955,664.87 v1(1955,660)
  Bottom Layer w6: v1(1955,660) 1975.47,680.47 STM32G474.39@1975.47,733.5
DC: IPS.6 STM32G474.38 | length 2365.2
  SIG w6: IPS.6@1650,2775 1650,2433.27 1790.26,2293.01 1790.26,820.4 1935,675.66 v1(1935,635)
  Bottom Layer w6: v1(1935,635) 1935,668.28 1955.79,689.07 STM32G474.38@1955.79,733.5